# Altium PCB 键盘-空白.PcbDoc (part 4 of 4)
Units mil, origin at the board's own origin, x right, y up, seen from the top; angles counter-clockwise.
Board outline 17460 x 5880 mil, 2 copper layers (Top Layer, Bottom Layer); 278 components, 283 nets, 1577 pads, 1412 vias.
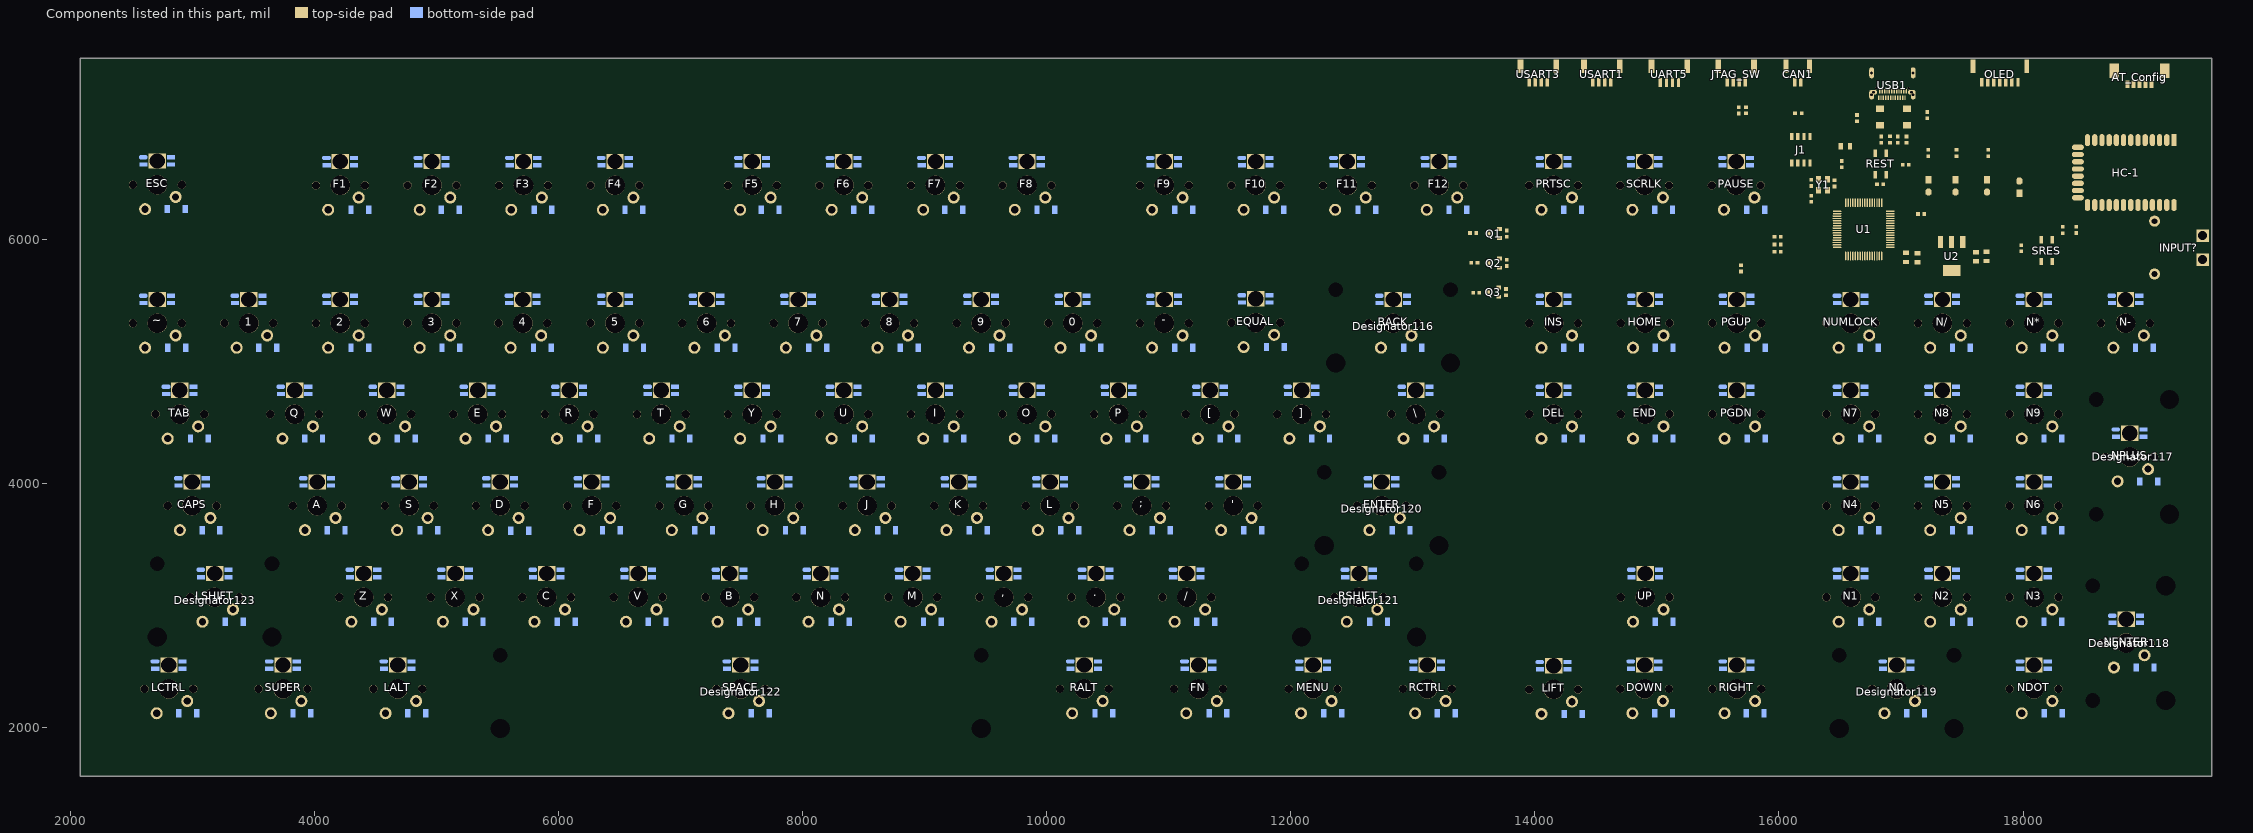
[diagram p4: the components of this part, seen from the top]

## Via types
v1: diameter 20, hole 10, Top Layer to Bottom Layer, 1072 vias
v2: diameter 24.02, hole 12.01, Top Layer to Bottom Layer, 310 vias
v3: diameter 20, hole 10, Top Layer to Bottom Layer, tented both sides, 30 vias

## Nets (pads, with @x,y where several pads share a name; then routed paths per layer and width w, separated by ;. In a path a pad name is that pad's centre, name@x,y a point inside that pad or via, vN(x,y) a via of type N, cw(c..) or ccw(c..) an arc to the next point about the centre after c; other vN are vias at no path point) (continued)
pads on no net: 0. 1. 2. 3. 4. 5. 6. 7. 8. 9. '. ,. -. .. /. ;. [. \. ]. A. AT_Config.0 B. BACK. BACK.4 C. CAN1.0 CAPS. D. DEL. Designator116.0 Designator116.1 Designator116.3 Designator116.4 Designator117.0 Designator117.1 Designator117.3 Designator117.4 Designator118.0 Designator118.1 Designator118.3 Designator118.4 Designator119.0 Designator119.1 Designator119.3 Designator119.4 Designator120.0 Designator120.1 Designator120.3 Designator120.4 Designator121.0 Designator121.1 Designator121.3 Designator121.4 Designator122.0 Designator122.1 Designator122.3 Designator122.4 Designator123.0 Designator123.1 Designator123.3 Designator123.4 DOWN. E. END. ENTER. ENTER.4 EQUAL. ESC. F1. F2. F3. F4. F5. F6. F7. F8. F9. F10. F11. F12. F. FN. G. H. HC-1.3 HC-1.4 HC-1.5 HC-1.6 HC-1.7 HC-1.8 HC-1.9 HC-1.10 HC-1.11 HC-1.14 HC-1.15 HC-1.16 HC-1.17 HC-1.18 HC-1.19 HC-1.20 HC-1.23 HC-1.25 HC-1.27 HC-1.28 HC-1.29 HC-1.30 HC-1.31 HC-1.32 HC-1.33 HC-1.34 HOME. I. INPUT?.0 INS. J1.5 J. JTAG_SW.0 K. L. LALT. LCTRL. LIFT. LSHIFT. M. MENU. N0. N1. N2. N3. N4. N5. N6. N7. N8. N9. N*. N-. N. N/. NDOT. NDOT.4 NENTER. NPLUS. NUMLOCK. O. OLED.0 P. PAUSE. PGDN. PGUP. PRTSC. Q. R. RALT. RCTRL. RIGHT. RSHIFT. S. SCRLK. SPACE. SUPER. T. TAB. U1.50 U1.55 U. UART5.0 UP. USART1.0 USART3.0 USB1. USB1.1 USB1.2 USB1.3 USB1.4 USB1.A2 USB1.A3 USB1.A4 USB1.A8 USB1.A9 USB1.A10 USB1.A11 USB1.B2 USB1.B3 USB1.B4 USB1.B8 USB1.B9 USB1.B10 USB1.B11 V. W. X. Y. Z. ~.
copper on no net: | length 46680
  Top Layer w10: 2085,1600 2095,1600 19545,1600 19545,1610 19545,7480 2085,7480 2085,1610 2085,1600

## Polygon pours and split planes (outlines as drawn)
GND on Bottom Layer "Top Layer-No Net" (solid, remove dead copper, pour order 10): 2085,1600 2085,7480 19545,7480 19545,1600
GND on Top Layer "Top Layer-No Net1" (solid, remove dead copper, pour order 11): 2085,1600 2085,7480 19545,7480 19545,1600

## Silkscreen, mask and mechanical layers (free items; w line width, h text height)
Top Overlay:
  drawing of 2404 lines, arcs and shapes, not listed

## Text inside footprints (layer, text, board x,y; h text height)
INPUT?: Top Overlay "+" at 19441.85,5773.43 h50 r270